# Altium PCB uTCA_MCH_PCB3.pcbdoc (part 12 of 25)
Units mil, origin at the board's own origin, x right, y up, seen from the top; angles counter-clockwise.
Board outline 7110.66 x 2894.12 mil, 12 copper layers (Top Layer, GND1, MidLayer1, PWR1, MidLayer2, GND2, PWR2, MidLayer3, GND3, MidLayer4, PWR3, Bottom Layer), stack 63.15 mil thick; 767 components, 905 nets, 4553 pads, 2832 vias.
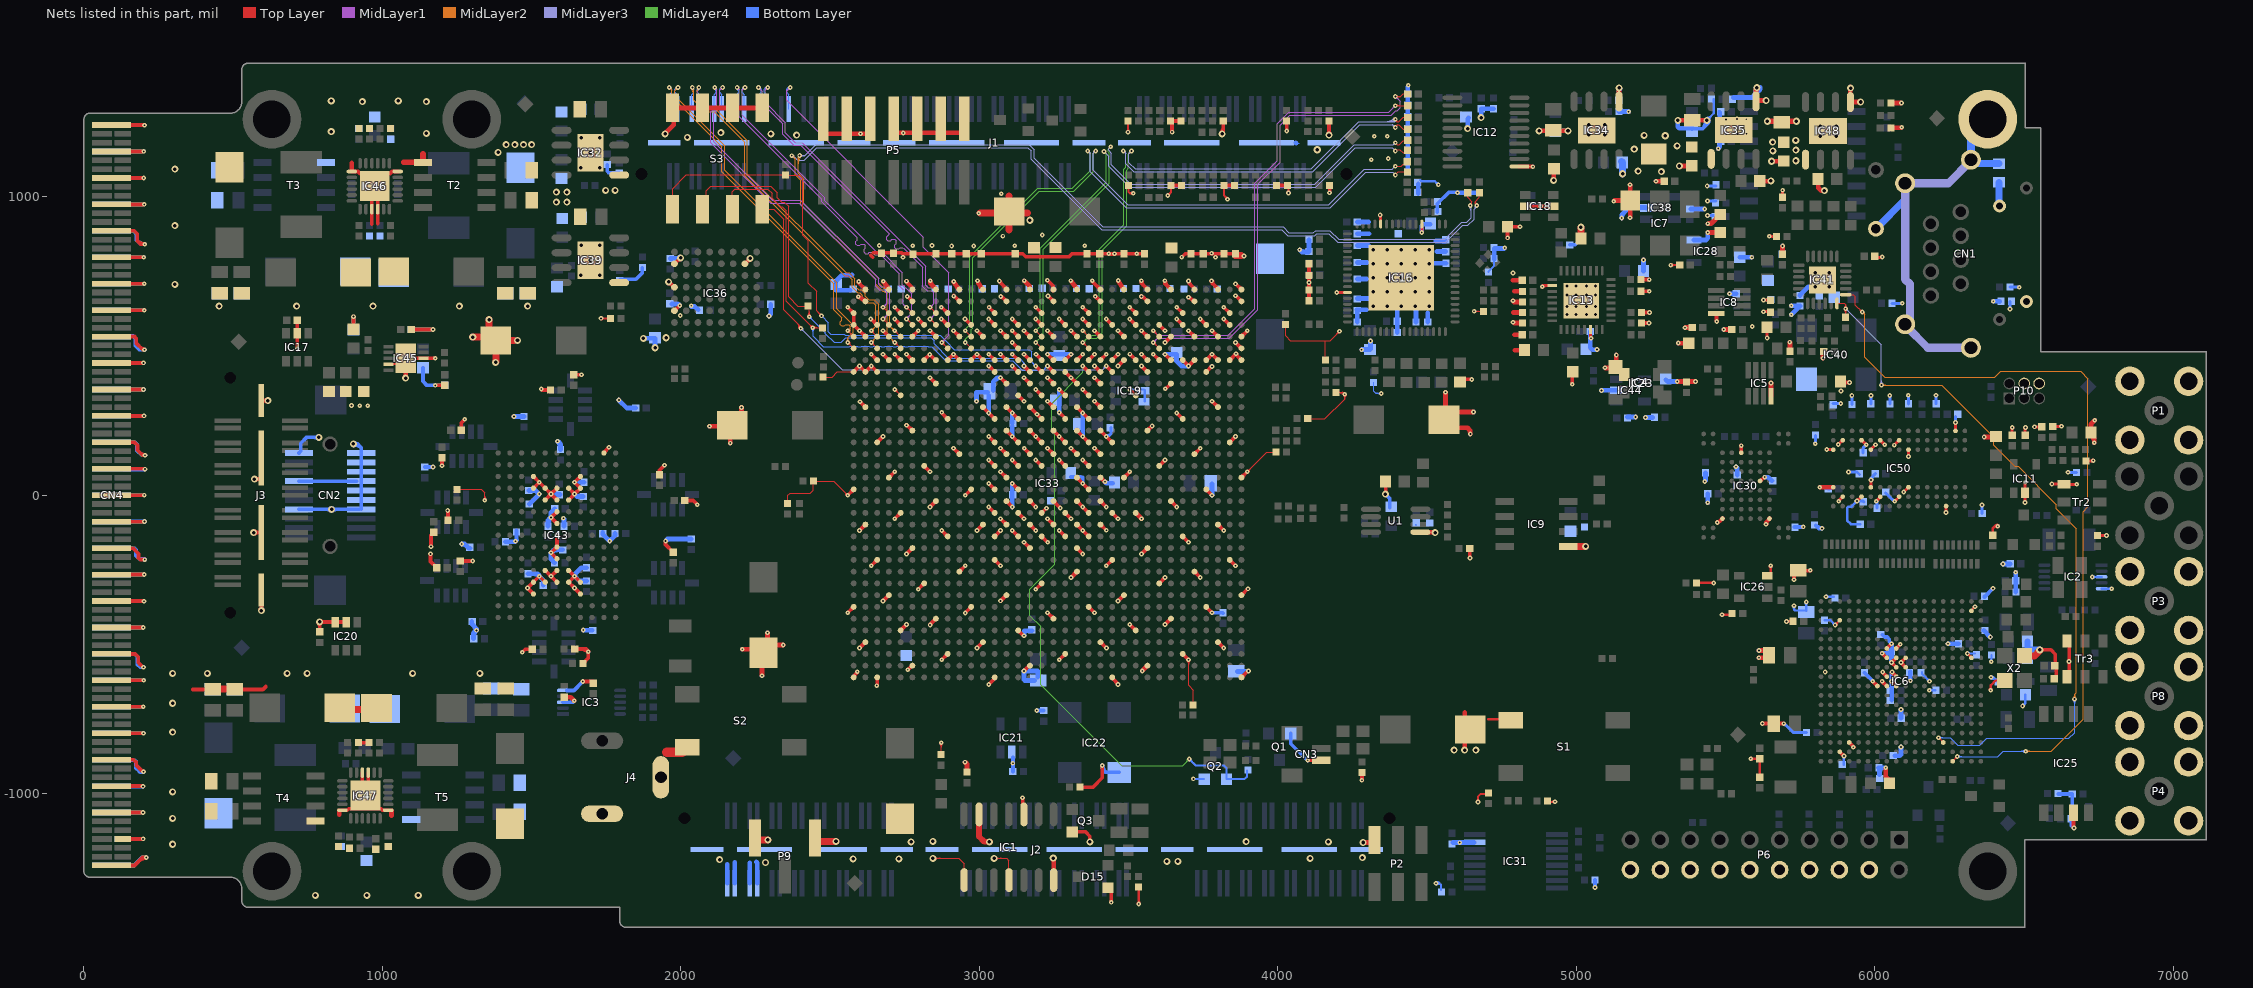
[diagram p22: the nets of this part, all layers, seen from the top]

## Via types
v1: diameter 15.75, hole 5.91, Top Layer to Bottom Layer, tented both sides, 2480 vias
v2: diameter 23.62, hole 11.81, Top Layer to Bottom Layer, tented both sides, 325 vias
v3: diameter 20, hole 10, Top Layer to Bottom Layer, tented both sides, 16 vias
v4: diameter 15.75, hole 7.87, Top Layer to Bottom Layer, tented both sides, 9 vias
v5: diameter 23.62, hole 11.81, Top Layer to Bottom Layer, 1 vias
v6: diameter 15.75, hole 5.91, Top Layer to Bottom Layer, 1 vias

## Nets (pads, with @x,y where several pads share a name; then routed paths per layer and width w, separated by ;. In a path a pad name is that pad's centre, name@x,y a point inside that pad or via, vN(x,y) a via of type N, cw(c..) or ccw(c..) an arc to the next point about the centre after c; other vN are vias at no path point) (continued)
GND: (continued)
  Bottom Layer w12: C267.1@5387.28,1228.42 5423.42,1228.42 5437,1242 ; 5423.43,1228.43 ccw(c5402.93,1248.92) v2@5431.31,1254.82 ; v2@5432.9,1251.88 cw(c5423.04,1242) 5437,1242 ; v2@5437,1255 5437,1242 ; 5439.14,1244.14 ccw(c5428.95,1254.33) v2@5443.06,1257.26 ; v2@5441.1,1251.88 ccw(c5450.96,1242) 5437,1242 ; C7.2@6025.62,-467.3 6033.17,-474.85 6041.18,-474.85 6048.27,-481.94 6048.27,-489.95 v1(6055.81,-497.49) ; v1(6335.34,-373.48) v1@6336.06,-373.48 ; C217.1@6367.32,-342.22 6367.32,-339.19 6368.81,-339.19 v1(6396,-312)
  Bottom Layer w12.6: CN4.170@92.52,-1240.16 167.95,-1240.16 194.88,-1213.23 v1@210.39,-1213.23 ; CN4.146@92.52,-531.5 170.28,-531.5 179.76,-540.98 179.76,-566.69 ; CN4.134@92.52,-177.17 168.82,-177.17 174.45,-182.8 174.45,-201.57 186.73,-213.86 v1@202.64,-213.86 ; CN4.122@92.52,177.17 171.02,177.17 178.15,170.04 178.15,150.04 194.06,134.13 v1@206.3,134.13 ; CN4.98@92.52,885.83 165.24,885.83 175.67,875.39 175.67,855.35 189.57,841.46 v1@200.59,841.46 ; CN4.131@119.17,-88.23 v1(202.87,-88.23) ; CN4.161@119.49,-975.39 v1(198.07,-975.39) ; CN4.119@123.19,265.87 v1(201.5,265.87) ; CN4.128@124.45,0.39 v1(202.52,0.39) ; CN4.164@126.81,-1062.64 v1(198.07,-1062.64) ; CN4.110@127.48,533.54 165.04,533.54 173.23,525.35 173.23,500.87 186.69,487.4 v1(203.23,487.4) ; CN4.155@127.8,-797.13 v1(199.45,-797.13) ; CN4.86@129.29,1239.92 v1(202.87,1239.92) ; CN4.140@131.22,-355.12 v1(201.5,-355.12) ; CN4.113@132.17,443.43 v1(199.45,443.43) ; CN4.95@132.6,974.41 v1(201.85,974.41) ; CN4.167@133.11,-1151.22 v1(198.39,-1151.22) ; CN4.116@134.17,354.13 v1(199.76,354.13) ; CN4.125@134.45,85.91 v1@202.87,85.91 ; CN4.107@135.08,619.96 v1(202.17,619.96) ; CN4.92@135.43,1062.68 v1(200.47,1062.68) ; CN4.158@135.67,-887.72 169.96,-887.72 174.45,-892.2 174.45,-913.46 185.47,-924.49 ; CN4.149@136.18,-619.92 v1(200.12,-619.92) ; CN4.89@136.34,1152.01 v1(200.83,1152.01) ; CN4.104@138.43,708.23 v1(202.52,708.23) ; CN4.143@138.5,-443.39 v1(198.74,-443.39) ; CN4.152@139.02,-708.5 v1(199.09,-708.5) ; CN4.101@140.35,797.56 v1(200.83,797.56) ; CN4.137@142.13,-265.79 v1(202.52,-265.79) ; 175.93,-914.94 ccw(c199.45,-891.42) v1@199.45,-924.68 ; 178.07,852.95 ccw(c203.54,878.42) v1@203.54,842.4 ; 183.95,144.24 ccw(c204.92,165.21) v1@204.92,135.55 ; 191.37,-924.49 cw(c191.37,-934.34) v1@198.34,-927.37 ; 196.08,-213.86 cw(c196.08,-223.84) v1@203.14,-216.78 ; 196.68,85.91 ccw(c196.68,95.49) v1@203.45,88.71 ; v1@197.68,-924.49 185.47,-924.49 ; v1@197.76,-576.5 189.57,-576.5 179.76,-566.69 ; v1@198.44,-925.05 cw(c192.26,-917.7) 185.47,-924.49 ; v1@199.43,-574.72 cw(c199.16,-547.3) 179.76,-566.69 ; CN2.8@720.47,-47.24 921.26,-47.24 v2(829.72,-47.24) ; CN2.14@720.47,47.24 CN2.13@914.37,47.24 ; CN2.20@720.47,141.73 726.38,147.64 726.38,174.21 746.07,193.91 v2(787.44,193.91) ; v2@783.54,190.01 ccw(c774.13,180.6) 774.13,193.91 ccw(c774.13,207.21) v2@783.54,197.8 ; v2@825.83,-51.14 ccw(c816.42,-60.55) 816.42,-47.24 ccw(c816.42,-33.94) v2@825.83,-43.35 ; v2(902.56,172.24) 916.34,172.24 929.13,159.45 ; C393.1@903.54,553.15 v1(903.54,598.42) ; v2@903.75,166.86 cw(c909.68,139.99) 929.13,159.45 ; v2@906.46,168.35 cw(c915.87,158.94) 915.87,172.24 cw(c915.87,185.55) v2@906.46,176.14 ; CN2.7@929.13,-47.24 CN2.9@929.13,-15.75 CN2.11@929.13,15.75 CN2.13@929.13,47.24 CN2.15@929.13,78.74 CN2.17@929.13,110.24 CN2.19@929.13,136.81 ; CN2.19@929.13,141.73 929.13,159.45 ; R212.1@1098.43,555.12 v1(1169.29,555.12) ; C417.2@1135.83,427.17 1135.83,381.89 1149.61,368.11 1175.2,368.11 C396.2@1208.66,368.11 ; C421.1@1141.73,94.49 v1(1169.29,94.49) ; IC3.3@1604.49,-693.32 1638.34,-693.32 v1(1643.02,-688.63) ; IC3.5@1618.15,-653.82 1641.46,-653.82 v1(1671.26,-624.02) ; 1627.91,-693.32 ccw(c1627.91,-673.52) v1@1641.91,-687.52 ; C29.1@3112.2,-925.2 IC21.2@3112.2,-877.95 ; v1(3192,-721) 3215.41,-721 C30.1@3215.67,-721.26 ; L4.1@3306.46,61.18 3338.4,61.18 ; 3338.96,60.63 3345.04,60.63 ; v1(3346.46,39.37) 3346.46,59.21 ; v1(3411.42,-905.51) 3411.42,-915.35 3424.41,-928.35 IC22.2@3468.5,-928.35 ; v1@3412.99,-905.51 ccw(c3440.56,-905.51) 3421.07,-925 ; v1(3779.53,-393.7) 3814.9,-393.7 C73.2@3816.5,-395.3 ; Q1.2@4043.31,-798.23 4043.31,-832.68 v1@4100.39,-889.76 ; IC31.15@4658.29,-1163.36 IC31.15@4659.28,-1162.36 ; C316.2@5731.19,-105.97 v1(5759.79,-105.97) ; v1@5822.97,-109.43 cw(c5822.47,-80.92) 5802.31,-101.08 5812.23,-111 v1(5823,-111) ; C9.2@5964.96,-594.82 5992.83,-622.69 v1(5992.83,-623.48) ; R164.1@6614.51,-1000.71 6614.74,-1000.94 R1.1@6661.2,-1000.94 6661.2,-1084.44 C219.2@6659.54,-1086.1 ; C219.2@6659.05,-1092.01 ccw(c6689.99,-1092.01) v1@6668.11,-1113.89 ; C219.2@6659.05,-1083.5 6659.05,-1107.05 v1(6667,-1115) ; 843.03,-47.24 cw(c843.03,-33.94) 833.62,-43.35 ccw(c843.03,-33.94) 843.03,-47.24 ; 843.03,-47.24 ccw(c843.03,-60.55) 833.62,-51.14 cw(c843.03,-60.55) 843.03,-47.24
  Bottom Layer w14: v1@5819.35,27.2 5840.4,27.2 5844.96,22.64 C225.2@5845.84,22.64
  Bottom Layer w15.75: C345.2@1282.55,-170.35 ccw(c1265.75,-187.15) v1(1265.75,-163.39) 1275.59,-163.39 1289.37,-177.16 C345.2@1293.31,-177.16 ; C329.1@1299.21,-423.23 1299.21,-431.1 1314.96,-446.85 v1(1314.96,-452.76) ; C330.1@1305.12,-480.32 1305.12,-462.6 v1(1314.96,-452.76) ; C330.1@1305.12,-476.52 cw(c1338.72,-476.52) v1(1314.96,-452.76) ; 1305.12,-466.67 cw(c1319.88,-466.67) v1(1314.96,-452.76) ; 1310.78,-442.67 cw(c1300.7,-452.76) v1(1314.96,-452.76) ; C343.2@1412.72,-156 v1@1444,-156 ; v1(1440.94,263.78) C331.1@1474.41,263.78 ; v1(1446,-154) v1@1449.28,-150.72 ; C346.2@1488,-262.72 1515.72,-262.72 ; C337.2@1490.16,15.75 1513.78,15.75 v1(1525.59,3.94) C335.1@1492.13,-29.53 ; 1504.01,-262.72 cw(c1504.01,-293.23) v1(1525.59,-271.65) ccw(c1515.72,-272.64) 1515.72,-262.72 ; v1@1525,-272 1515.72,-262.72 ; v1@1525,-271 1539.28,-285.28 C344.2@1539.28,-302 ; C349.1@1555.12,-104.33 1555.12,-84.65 v1(1564.96,-74.8) ; C349.1@1555.12,-98.56 cw(c1588.72,-98.56) v1(1564.96,-74.8) ; 1555.12,-88.72 cw(c1569.88,-88.72) v1(1564.96,-74.8) ; v1@1564.96,-77.96 v1(1564.96,-74.8) ; v1@1565,-194 1565,-214.72 C342.2@1576.28,-226 ; v1@1565,-75 1565,-57.28 C340.2@1577.28,-45 ; v1@1566.72,2.28 C350.1@1595,2.28 ; 1588.72,-183.07 ccw(c1588.72,-216.68) v1(1564.96,-192.91) 1574.8,-183.07 C351.1@1604.33,-183.07 ; C336.1@1596.46,153.54 1596.46,171.26 v1(1586.61,181.1) ; C336.1@1596.46,157.34 ccw(c1562.85,157.34) v1(1586.61,181.1) ; 1596.46,167.18 ccw(c1581.69,167.18) v1(1586.61,181.1) ; C341.2@1608.27,-104.33 v1@1608.27,-78.74 ; v1(1643.7,-271.65) cw(c1659.04,-271.65) 1648.19,-260.81 ; v1@1645.67,43.31 C338.2@1675.2,43.31 ; C352.1@1662.71,-3.94 cw(c1662.71,22.95) v1(1643.7,3.94) 1651.57,-3.94 C352.1@1673.23,-3.94 ; v1@1673.23,-452.76 C334.1@1702.76,-452.76 ; C339.2@1684,-287.28 1660.28,-287.28 1644.5,-271.5 1644.5,-264.5 1666.28,-242.72 C348.2@1684,-242.72 ; C333.1@1738.19,-124.01 1738.19,-129.92 v1(1761.81,-153.54) ; v1@1761.81,-152.56 1779.53,-134.84 C332.1@1779.53,-127.95 ; v1(1792.32,318.9) 1818.9,292.32 C420.1@1848.43,292.32 ; v2(1874.02,525.59) C64.1@1913.39,525.59 ; v2(1913.39,494.09) C64.1@1913.39,526.18 ; v1(1948.82,-153.54) cw(c1965.45,-170.18) 1965.45,-146.65 ; v1@1948.82,-152.56 1954.73,-146.65 C412.2@2034.45,-146.65 ; C63.1@1964.57,793.31 v2@1998.03,793.31 ; C65.1@1969.45,640.63 1987.01,640.63 ; 1984.47,640.63 cw(c1984.47,624.23) v1(1996.06,635.83) ; 1984.73,793.31 ccw(c1984.73,809.53) v2@1996.2,798.06 ; v1@2035.68,632.24 2046.62,632.24 C66.1@2057.83,621.02 ; J2.95@2155.59,-1299.8 2155.59,-1236.26 ; J2.93@2180.79,-1299.8 2180.79,-1229.25 ; J2.91@2230.55,-1299.8 2230.55,-1231.34 ; 2252.83,-1228.39 2255.75,-1231.3 J2.89@2255.75,-1299.8 ; 2301.18,614.65 cw(c2281.02,614.65) v1(2295.28,600.39) 2301.18,606.3 C62.1@2301.18,639.76 ; 2518.78,687.17 2518.78,716.42 2539.02,736.66 2571.9,736.66 2573.5,738.27 ; 2518.9,687.05 2550.71,687.05 ; 2550.9,687.23 C109.2@2567.21,687.23 ; v1(2990.24,315.16) 2990.24,344.61 ; 2991.1,345.47 C86.1@3028.46,345.47 ; v1(3031.5,275.59) C86.1@3031.5,334.13 ; C86.1@3046.93,351.02 3046.93,380.55 3060.08,393.7 v1(3070.87,393.7) ccw(c3070.87,367.66) 3052.45,386.07 ; v1(3110.24,-39.37) C69.1@3110.24,-2.95 ; C69.1@3110.24,-0.2 v1(3110.24,39.37) ; v1(3110.24,196.85) C70.1@3110.24,231.22 ; C70.1@3110.24,241.02 v1(3110.24,275.59) ; v1@3149.88,-470.19 3149.88,-454.25 C83.2@3176.54,-454.25 ; C85.1@3185.39,-620.87 3152.36,-620.87 3149.61,-618.11 v1(3149.61,-588.58) 3195.35,-588.58 C85.1@3195.35,-608.9 ; v1@3229.53,472.44 v1(3307.09,472.44) ; v1@3267.72,275.75 v1(3267.72,354.33) ; v1@3346.46,197.83 v1(3346.46,275.59) ; v1@3420.4,45.42 3425.47,40.35 C74.1@3446.38,40.35 ; v1(3420.54,44.99) ccw(c3431.73,56.18) 3431.73,40.35 ; v1(3622.05,472.44) C96.1@3660.55,472.44 ; C96.1@3660.47,470.39 3660.47,448.82 3676.22,433.07 v1(3700.79,433.07) ; v1(3779.53,0) C75.1@3779.53,37.99 ; C76.1@3864.76,-590.55 v1@3897.64,-590.55 ; 4060.2,1181.3 4061.77,1179.72 ; 4091.84,814.96 cw(c4091.84,841.84) v1(4072.83,822.83) 4080.71,814.96 R247.2@4102.36,814.96 ; R247.2@4104.33,816.93 R246.2@4104.33,856.3 ; C184.1@4263.86,621.5 4296.89,621.5 ; C176.1@4265.75,580.71 C184.1@4265.75,619.61 ; C174.1@4265.75,659.45 4304.53,659.45 ; C183.1@4265.75,724.41 4297.28,724.41 ; C172.1@4265.75,779.53 4298.35,779.53 ; C180.1@4265.75,836.61 4303.94,836.61 ; C181.1@4265.75,875.98 4305.55,875.98 ; C173.1@4265.75,915.35 4303.78,915.35 ; v1(4280.59,487.68) C161.1@4308.43,487.68 ; v1@4281.1,488.19 C161.1@4308.94,488.19 ; C161.1@4310.59,489.84 v1(4310.59,516.61) ; C160.2@4399.61,545.28 C163.1@4399.61,582.68 4399.61,617.91 ; v1@4435.04,1368.31 R93.2@4435.04,1344.49 4435.04,1187.01 4435.34,1158.92 R85.2@4435.34,1080.18 ; C187.1@4462.6,580.71 4462.6,615.16 ; R68.2@4469.97,1010.82 R71.2@4469.97,1042.81 ; v1@4481.61,885.67 4481.61,903.15 4486.3,907.83 C167.2@4510.39,907.83 ; C186.1@4501.97,580.71 4501.97,611.26 ; 4525.28,777.56 C171.1@4562.99,777.56 ; 4529.13,851.59 C177.1@4561.42,851.59 ; 4531.93,816.28 C178.1@4562.91,816.28 ; C244.2@4586.47,-1163.36 IC31.15@4658.29,-1163.36 ; v1@4608.27,1013.78 R81.2@4675.2,1013.78 ; v2(4635.83,1228.35) 4635.83,1261.77 C151.1@4638.86,1264.8 ; v2@4681.71,1264.41 4681.1,1265.02 C309.1@4681.1,1295.28 C159.1@4722.44,1295.28 ; R94.1@4724.41,790.64 4724.41,826.77 v1@4757.87,826.77 ; C191.2@4850.39,968.5 v1@4881.89,968.5 ; C264.1@4931.04,1221 v2(4972,1221) ; C143.1@5046.65,548.34 5046.65,494.35 5053.45,487.55 v1@5069.27,487.55 ; v1(5084.04,351.09) 5084.32,351.37 IC44.2@5133.6,351.37 ; C262.1@5141.73,1322.83 5141.73,1362.73 v2@5142,1363 ; 5141.73,1351.63 cw(c5156.11,1351.63) v2@5145.94,1361.8 ; R185.1@5142.64,1285.47 5174.53,1285.47 v1(5175,1285) ; 5159.35,946.74 ccw(c5177.09,929) v1(5152,929) 5152,939.39 C250.1@5176.62,964.02 5232.61,964.02 IC38.2@5234.18,962.44 ; C252.1@5170.45,262.32 v1@5198.27,262.32 ; C287.1@5224.57,751.42 5224.57,787.57 v1(5225,788) ; v1@5231.7,260.62 C236.1@5254.72,260.62 ; C35.2@5299.9,387.2 5306.22,380.88 v1@5333.83,380.88 ; v2(5340,1256) 5340,1235 5345,1230 5385.71,1230 C267.1@5387.28,1228.42 ; C235.1@5382.88,958.74 5424.74,958.74 v1@5426,960 ; IC28.2@5393.74,855.27 5434.73,855.27 ; v1@5432.3,48.13 C298.2@5432.3,75.69 ; v1(5440,880) 5440,860.55 5435,855.55 ; v1(5440.18,-24.7) C220.2@5440.18,4.83 ; v1(5513,675) 5513.24,675.24 C37.2@5535.47,675.24 ; C265.1@5526.41,1332.68 5589.68,1332.68 ; C221.2@5538.6,67.82 5538.6,91.43 v1(5534.65,95.38) cw(c5525.12,85.85) 5538.6,85.85 ; C36.1@5547.09,797.44 5587.56,797.44 v1(5588,797) ; v2@5600.7,1365.18 cw(c5562.27,1360.09) 5589.68,1332.68 ; v2@5605.26,1357.86 5605.26,1348.26 5589.68,1332.68 ; 5612.24,1355.24 ccw(c5602.1,1365.37) 5616.31,1367.25 ; v1(5631.02,60.75) 5642.72,60.75 C299.2@5655.33,48.13 ; v1(5720,635) 5747.91,635 R192.2@5748.98,633.94 v1(5720,605) ; C286.2@6012.32,-912.85 v1(6036.14,-912.85) ; 6015.63,-936.2 C286.2@6015.63,-913.09 ; v1(6024.33,-528.99) 6047.64,-528.99 C17.2@6052.09,-524.54 ; v1@6055.81,-559.81 v1(6055.81,-497.49) ; C11.2@6056.1,-686 v1@6056.1,-593.66 ; C5.2@6066.57,-872.26 6082.6,-872.26 ; 6083.27,-872.93 6087.68,-868.52 v1(6087.68,-843.28) ; C12.2@6087.32,-747.38 v1(6087.32,-717.97) ; v1@6118.58,-620.96 C15.2@6118.58,-591.59 ; v1(6244.8,-497.5) C6.2@6280.24,-497.5 ; C26.1@6364.88,-452.88 v1(6387,-475) ; v1(6397,650) 6417.13,650 R187.2@6417.72,649.41 ; v1(6429,-230) 6453.39,-230 C27.1@6453.74,-229.65 ; v1(6472,-258) 6472.44,-258.44 C314.1@6472.44,-286.26 6472.17,-286.54 R194.1@6472.17,-323.9 ; 1987.01,640.63 cw(c1987.01,629.69) v1(1996.06,635.83) ; 1987.01,640.63 1991.81,635.83 v1(1996.06,635.83) ; 5434.73,855.27 5435,855 5435,855.55 ; 5434.73,855.27 5435,855.55 ; v2@4457.85,631.07 cw(c4446.37,619.6) 4462.6,619.6 ccw(c4446.37,619.6) v2@4457.85,631.07 ; v2@4510.66,772.81 cw(c4522.13,761.33) 4522.13,777.56 ccw(c4522.13,761.33) v2@4510.66,772.81
  Bottom Layer w19.68: C10.1@6511.22,-549.67 C23.1@6511.22,-489.57
  Bottom Layer w23.62: C274.1@5151.84,1117.45 5155.21,1114.08 v2(5155.21,1076.99) ; 6518.25,-518.19 v2(6552.4,-518.19)
  other v1: 3534.04,-1369.23 5062.62,-1314.06 4529.72,-1299.74 209.06,-1213.43 4609.23,-1163.7 199.45,-926.26 3112.2,-897.64 5584.16,-882.79 5927.87,-843.95 5623.21,-764.88 2656.5,-637.8 3464.57,-633.86 6119.06,-621.43 2590.55,-591.54 5833.39,-591.98 6026.3,-591.98 6057.78,-591.98 3545.51,-588.74 3901.47,-588.95 2760.42,-584.66 199.45,-576.3 3425.98,-511.42 3149.6,-470.47 1673.23,-451.77 2952.76,-394.51 3228.52,-393.7 5729.09,-369.99 5769.77,-357.83 3070.47,-353.94 3900.08,-313.65 5729.33,-283.37 3307.09,-275.59 5783.88,-251.4 2755.9,-196.85 1161.02,-196.46 3425.43,-117.56 5471.66,-91.63 3149.45,-78.74 3307.05,-79.06 1606.3,-76.77 1218.5,-50.79 3224.92,-43.74 3270.83,-42.83 3424.67,-39.37 5940,-19 5815.08,26.78 5430.33,46.16 204.57,87.6 3070.94,157.28 3150.16,157.48 3228.31,157.4 3306.97,157.4 5800.67,172.71 6366,195 2755.9,234.25 5231.37,260.29 5198.46,262.29 3192.83,271.14 3267.68,277.44 2874.02,277.56 2203.03,294.15 924.37,300.16 950.67,299.57 896.81,300.55 4346.46,340.55 5886.68,349.46 3622.91,356.46 5337.85,380.88 5398.86,380.74 4649.61,387.8 1667.32,403.54 5096.04,427.09 3779.52,431.1 5134.04,470.09 3425,472.36 3464.45,472.36 2637.76,472.56 3504.25,472.8 3860,474 5069.44,488.09 5341,510 5049.2,525.59 4206.69,549.21 3897.15,551.18 5364,561 5589,565 5243.35,577.09 4787.39,579.65 2635.82,590.55 2872.04,590.55 2951.92,590.58 1732.28,592.52 1998.03,602.36 2872.04,629.92 3032.63,629.95 2034.37,634.76 3700.85,663.71 2758.35,666.08 3071.82,665.83 3388.17,666.19 3542.69,666.03 2913.81,667.12 3230.15,667.71 3858.27,668.71 4196.85,679.13 4885.83,698.82 3858.27,708.09 4104.33,712.6 2595.75,716.01 2914.28,716.3 2678.12,716.53 2755.66,717.42 2993.66,718.28 3067.02,718.03 3700.64,717.69 3777.52,718.12 3150.23,719.09 3306.26,719.07 3377.92,718.64 3542.69,718.75 3621.46,718.54 3227.81,720.28 3465.2,719.53 4787.61,744.8 3791.34,797.24 3778,811 4759.83,828.74 2906.95,834.73 2981.39,835.22 3118.29,835.47 2776.69,836.14 3353.16,835.55 2664.94,836.94 2841.19,836.53 3078.74,868.11 3210.63,872.05 4482.29,880.5 5180,930 4342.52,938.98 2998.03,944.88 5430.22,958.68 5125,985 3831.1,992.01 3073.15,1010.39 4173.25,1013.4 4602.02,1013.54 5180,1040 4854.33,1100.39 4312.99,1124.02 4370.08,1127.95 4322.83,1202.76 4366.14,1202.76 5540.26,1210.5 2601.78,1211.03 5502.58,1210.71 5569.84,1210.71 2745,1213.85 6090,1233 5501.1,1259.03 5538.03,1260.22 5568.96,1259.68 6089,1314 4436.71,1373.62
  other v2: 775.59,-1340.55 947.83,-1340.55 1120.08,-1340.55 2283.46,-1230.32 3627.95,-1226.38 3665.35,-1226.38 2129.92,-1220.47 2576.77,-1218.5 2730.31,-1218.5 4108.27,-1216.54 3247.46,-1215.42 4283,-1214 297.24,-1169.29 2771.65,-1161.42 3033.46,-1161.42 3370.08,-1161.42 4169.29,-1161.42 3893.32,-1160.12 2844.49,-1159.45 297.24,-1082.68 297.24,-994.09 4590.67,-853.66 4663.46,-853.66 297.24,-793.31 297.24,-696.85 297.24,-596.46 413.39,-596.46 681.1,-596.46 748.03,-596.46 1326.77,-596.46 616.14,316.93 1077.48,392.48 1379.06,445.28 1452.64,519.07 1950.79,527.56 452.76,633.86 712.6,633.86 968.5,633.86 1257.87,633.86 1486.22,633.86 4318.9,633.86 4366.14,633.86 4413.39,633.86 4460.63,633.86 4507.87,633.86 4318.9,681.1 4366.14,681.1 4413.39,681.1 4460.63,681.1 4507.87,681.1 305.12,706.69 1958.66,714.57 4318.9,728.35 4366.14,728.35 4413.39,728.35 4460.63,728.35 4507.87,728.35 1727.67,736.38 1664.93,737.03 4318.9,775.59 4366.14,775.59 4413.39,775.59 4460.63,775.59 4507.87,775.59 1696.85,787.4 1998.98,795.28 4318.9,822.83 4366.14,822.83 4413.39,822.83 4460.63,822.83 4507.87,822.83 1665.57,837.99 1728.95,837.99 5015.32,897.88 305.12,903.54 3169.29,921.26 1582.68,982.28 1618.11,982.28 1582.68,1015.75 1618.11,1015.75 5831.1,1020.46 1748.03,1021.65 1779.53,1021.65 5652,1053 305.12,1092.52 1728.12,1096.47 1664.91,1097.34 1387.69,1148.37 1696.85,1147.64 4131.89,1157.48 1414.72,1175 1443.74,1175 1472.76,1175 1500,1175 1666.07,1198.24 1727.54,1197.95 2021.65,1198.82 5816.5,1202.83 5870.67,1202.83 2387.8,1206.69 5041.29,1207.24 5095.46,1207.24 1946.85,1210.63 2301.18,1210.63 3812.99,1210.63 1147.64,1212.6 2133.86,1214.57 828.74,1218.5 5816.5,1236.42 5870.67,1236.42 5041.29,1240.83 5095.46,1240.83 4681.09,1265.35 933.07,1318.9 1147.64,1318.9 828.74,1320.87 1053.15,1320.87 5918.74,1363.68 5143.16,1364.58 5604.6,1365.7
  other v3: 4968.86,605.22 4998.86,605.22 5033.86,605.22 5063.86,605.22 4968.86,632.72 4998.86,632.72 5033.86,632.72 5063.86,632.72 4968.86,670.22 4998.86,670.22 5033.86,670.22 5063.86,670.22 4968.86,700.22 4998.86,700.22 5033.86,700.22 5063.86,700.22
  other v5: 1100.95,-596.95
GND_ETH: C68.1 C162.1 C166.1 C201.1 C202.1 C203.1 C204.1 C205.1 C206.1 C208.2 C209.2 C210.1 C211.1 C212.2 C213.2 C215.2 C216.2 CN1.9 CN1.12 IC40.2 IC41.PAD L10.2 R171.1 R187.1 R192.1 R197.2 R199.1 R200.2 | length 740.5
  Top Layer w10: v1(5627,615) C206.1@5648.58,615 ; v1(5627,654) 5650.17,654 C201.1@5650.59,653.58 ; v1(5639,527) 5639.17,527.17 C203.1@5639.17,562.44 ; v1(5646,868) 5646.6,867.4 R197.2@5669.84,867.4 ; v1@5648.03,870.03 ccw(c5654.38,876.38) 5654.38,867.4 ; C162.1@5690.87,998.31 5690.87,1021.87 v1(5691,1022) ; C209.2@5999.53,796.22 v1@6023.22,796.22 ; 6013.77,796.22 ccw(c6013.77,809.23) v1@6022.97,800.03
  Top Layer w15.75: C208.2@5690.63,807.52 5690.63,834.63 v1(5691,835) ; v1(5826,459) 5826.57,459.57 R200.2@5826.57,481.77
  Bottom Layer w10: v1(5438,1036) 5438.06,1036.06 C204.1@5468.5,1036.06 ; v1(5439,937) 5439.56,937.56 C205.1@5467.8,937.56 ; v1(5439,986) 5467.9,986 C216.2@5468.15,985.75 ; v1@5441.03,934.97 cw(c5447.29,928.71) 5447.29,937.56 ; C213.2@5476.02,1235.87 C213.2@5477,1236.84 ; C166.1@5477,1284.95 C166.1@5477.17,1285.12 ; C166.1@5480.67,1282.05 C166.1@5481.08,1282.46 ; v1(5627,654) 5650,654 5651.79,655.79 R171.1@5651.38,655.79 ; C215.2@6057.4,642.91 6091.91,642.91 v1(6092,643) ; v1(6453,624) 6453.15,624.15 R187.1@6453.15,649.41 ; R199.1@6453.39,697.09 6483.91,697.09 v1(6484,697)
  Bottom Layer w15.75: v1(5475.01,1161.31) ccw(c5461.35,1174.97) C202.1@5480.67,1174.97 ; v1@5475.1,1161.78 5480.67,1167.35 C166.1@5480.67,1282.05 ; C212.2@5690.71,807.52 5690.71,834.71 v1(5691,835) ; R192.1@5748.98,669.37 5777.37,697.76 v2(5800.2,697.76)
  Bottom Layer w23.62: CN1.9@6415.95,971 L10.2@6415.95,1048.22
  other v1: 6025,798
  other v2: 5847.44,697.76 5800.2,745.01 5847.44,745.01
GND_SHIELD: C214.2 CN1.0 L10.1 pad.@6377.95,1259.84 | length 1412.2
  MidLayer3 w12.6: CN1.0@6106.35,564.95 CN1.0@6117.41,576.01
  MidLayer3 w27.56: CN1.0@6101.34,1045.28 6246.13,1045.28 CN1.0@6323.95,1123.1 ; CN1.0@6101.43,1044.42 6101.43,723.55 6117.41,707.57 CN1.0@6117.41,576.01 ; CN1.0@6106.35,564.95 6177.21,494.09 CN1.0@6321.81,494.09
  Bottom Layer w23.62: C214.2@6003.62,892.99 6100.98,990.35 CN1.0@6100.98,1037.04 ; CN1.0@6310.28,1115.27 6314.33,1111.22 L10.1@6415.95,1111.22 ; pad.@6321.81,1251.39 pad.@6323.74,1253.32
  Bottom Layer w27.56: CN1.0@6321.81,1124.02 pad.@6321.81,1251.39
HSWAPEN: IC33.M8 S3.4 | length 1672.5
  Top Layer w3.94: S3.4@2272.44,958.66 2310.45,958.66 2344.49,924.62 2344.49,621.06 2401.57,563.98 v1(2401.57,559.06) ; 2388.01,577.54 cw(c2369.53,559.06) v1@2395.67,559.06 ; 2394.73,570.82 cw(c2382.97,559.06) v1@2399.61,559.06
  Top Layer w12.6: v1(3425.2,433.07) IC33.M8@3444.88,413.39
  MidLayer3 w3.94: v1@2399.61,555.12 2405.87,555.12 2540.71,420.28 3413.19,420.28 v1@3425.59,432.68 ; v1@2401.57,553.15 cw(c2401.57,538.04) 2412.26,548.72 ; v1(2401.57,559.06) v1@2405.51,559.06 ; v1@2407.48,559.06 ccw(c2420.88,559.06) 2411.41,549.58 ; 3414.56,421.65 ccw(c3403.13,433.07) v1@3419.29,433.07 ; 3416.46,423.55 cw(c3425.2,414.81) v1@3425.2,427.17
INIT_B: IC33.P8 Q2.1 R45.2 | length 2139.7
  Top Layer w12.6: v1(3346.46,433.07) IC33.P8@3366.14,413.39
  MidLayer4 w3.94: 3169.33,-351.6 3169.33,-314.76 3252.8,-231.3 3252.8,202.2 3242,213 3242,307.34 3346.38,411.72 v1@3346.38,434.02 ; 3169.45,-351.72 3169.45,-403.54 3205.35,-439.45 3205.35,-634.09 3476.77,-905.51 3681.1,-905.51 v1(3702.76,-883.86) ; v1@3342.28,428.9 cw(c3332.39,419) 3346.38,419 ; 3346.38,418.62 cw(c3360.9,418.62) v1@3350.63,428.9 ; v1@3696.85,-883.86 cw(c3682.59,-883.86) 3692.67,-893.94 cw(c3702.76,-904.02) v1@3702.76,-889.76
  Bottom Layer w6.89: v1@3702.76,-888.29 cw(c3702.76,-900.65) 3711.5,-891.91 ; v1@3703.65,-884.06 3724.88,-905.29 3819.06,-905.29 3828.16,-914.39 Q2.1@3828.16,-951.35 3887.54,-951.35 3896.45,-942.44 R45.2@3896.45,-922.08 ; v1@3707.18,-883.86 ccw(c3716.21,-883.86) 3709.83,-890.24